# Altium PCB ECE453.PcbDoc (part 2 of 2)
Units mil, origin at the board's own origin, x right, y up, seen from the top; angles counter-clockwise.
Board outline 3937.01 x 3937.01 mil, 2 copper layers (Top Layer, Bottom Layer); 148 components, 146 nets, 474 pads, 123 vias.
Unrouted connection lines stored in the file: 41.
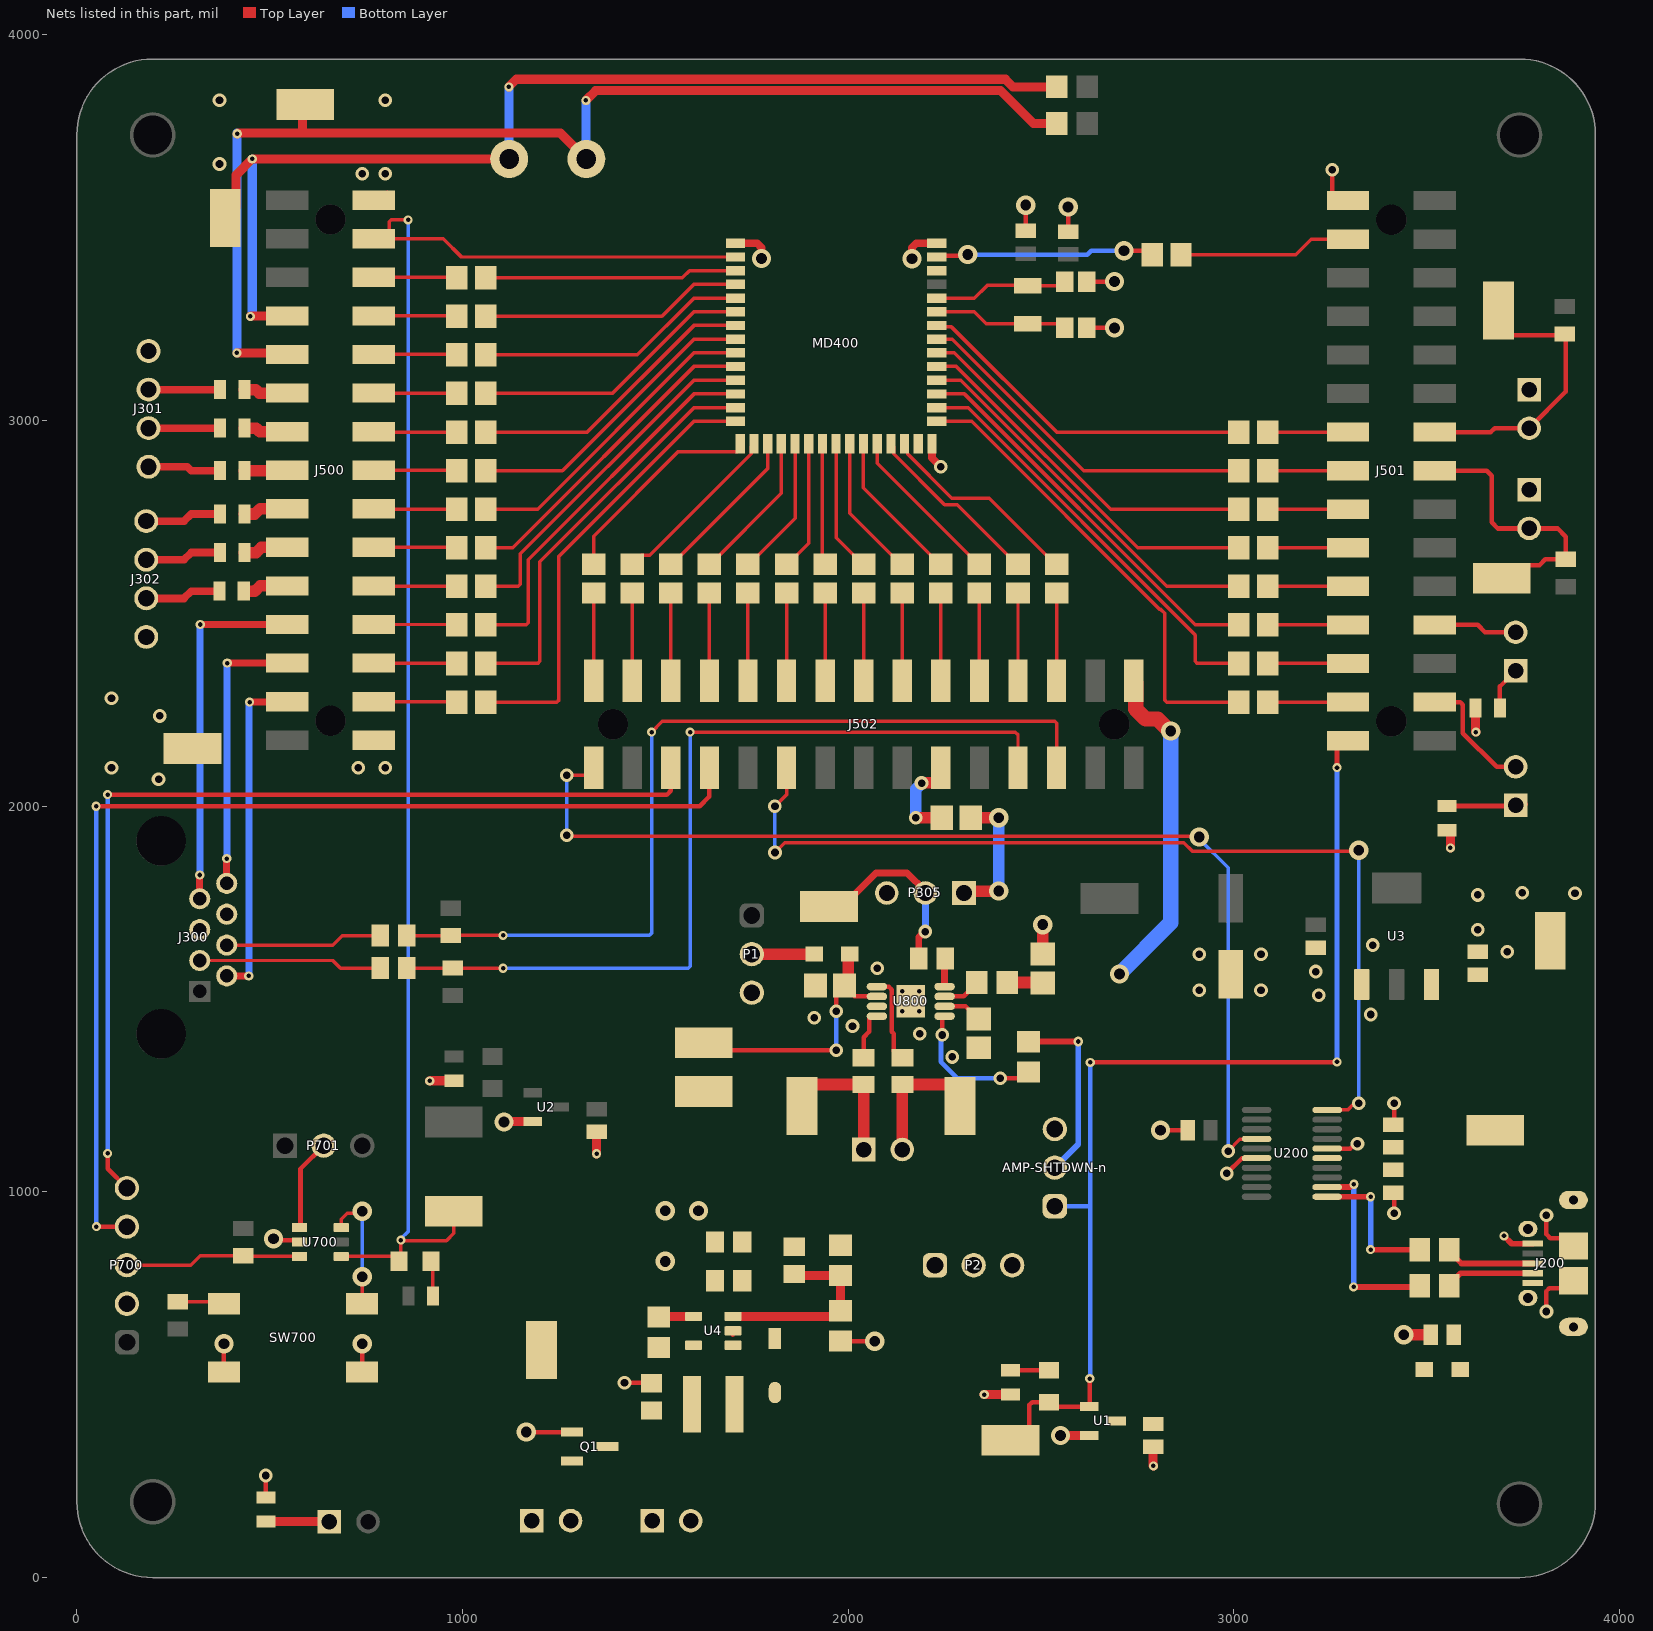
[diagram p2: the nets of this part, all layers, seen from the top]

## Via types
v1: diameter 35.43, hole 19.68, Top Layer to Bottom Layer, 47 vias
v2: diameter 23.62, hole 11.81, Top Layer to Bottom Layer, 36 vias
v3: diameter 50, hole 28, Top Layer to Bottom Layer, 29 vias
v4: diameter 24, hole 12, Top Layer to Bottom Layer, 5 vias
v5: diameter 35, hole 20, Top Layer to Bottom Layer, 5 vias
v6: diameter 25, hole 12, Top Layer to Bottom Layer, 1 vias

## Nets (pads, with @x,y where several pads share a name; then routed paths per layer and width w, separated by ;. In a path a pad name is that pad's centre, name@x,y a point inside that pad or via, vN(x,y) a via of type N, cw(c..) or ccw(c..) an arc to the next point about the centre after c; other vN are vias at no path point) (continued)
5.0V: AMP-SHTDWN-n.3 C1.1 C3.1 C202.1 C203.1 J502.30 P1.3 P2.2 TP3.1 TP5.1 U1.3 U3.3 U200.15 | length 874.8
  Top Layer w11.81: J502.30@2739.81,2325 J502.30@2740,2324.8
  Top Layer w40: J502.30@2740,2324.8 2745,2319.8 2745,2252 2771,2226 2802.25,2226 2833.25,2195 v3(2835.96,2195)
  Bottom Layer w40: v3(2703,1565) 2835.96,1697.96 v3(2835.96,2195)
5.0V_BAT: C6.2 C7.2 C8.2 D1.1 P2.1 R3.2
5.0V_IN: C200.1 J200.1 L200.1
5.0V_USB: L200.2 P2.3
5V0_MON_LEDn: LED1.1 R1.2 | length 100.1
  Top Layer w11.81: R1.2@2420.39,537.7 2520.23,537.7 LED1.1@2520.39,537.55
5V0_MON_RSTn: 5V5-RSTn.1 AMP-SHTDWN-n.1 J501.29 LED1.2 U1.1 | length 2759.2
  Top Layer w11.81: 5V5-RSTn.1@2420.39,356.21 2435.67,356.21 2469.72,390.26 2469.72,447.95 2476.64,454.87 LED1.2@2520.39,454.87 2531.65,443.61 U1.1@2624.95,443.61 2626,444.66 v2(2626,516) ; v2(2627.38,1335.72) 2628.02,1336.36 3266.36,1336.36 v2(3267,1337) ; v2(3267,2100) 3267,2150.91 3286.09,2170 J501.29@3295.68,2170
  Bottom Layer w11.81: AMP-SHTDWN-n.1@2535.5,963 2627,963 ; v2(2626,516) 2627.38,517.38 v2(2627.38,1335.72) ; v2(3267,1337) v2(3267,2100)
AMP_BYPASS: C800.1 U800.2 | length 102.8
  Top Layer w11.81: U800.2@2249.22,1481.28 2303.91,1481.28 2336.54,1448.66 C800.1@2338.5,1448.66
AMP_FILTER: C801.1 R801.2 | length 92.6
  Top Layer w11.81: C801.1@2502.77,1559 C801.1@2504,1557.77
  Top Layer w30: R801.2@2411.87,1543 C801.1@2502.77,1543
AMP_IN_NEG: AMP-IN.1 P305.2 R804.2 | length 488.5
  Top Layer w18: AMP-IN.1@1950,1740 1984.84,1740 2072.23,1827.39 2152.61,1827.39 P305.2@2200,1780 ; R804.2@2182.68,1605.69 2182.68,1659.68 2198,1675 v1(2200,1675)
  Bottom Layer w18: v1(2200,1675) P305.2@2200,1780
AMP_IN_POS: R801.1 U800.3 | length 100
  Top Layer w11.81: U800.3@2249.22,1506.87 2298.97,1506.87 2333.13,1541.03 R801.1@2333.13,1543
AMP_OUT_NEG: P306.1 R800.2 SPK-NEG.1 | length 371.2
  Top Layer w11.81: SPK-NEG.1@1880,1223 1880,1244.5 SPK-NEG.1@1914.06,1278.55
  Top Layer w30: SPK-NEG.1@1914.06,1278.55 R800.2@2040,1278.55 P306.1@2040,1103
AMP_OUT_POS: P306.2 R802.2 SPK-POS.1 | length 361.2
  Top Layer w11.81: SPK-POS.1@2255.94,1278.55 2290,1244.5 SPK-POS.1@2290,1223
  Top Layer w30: P306.2@2140,1103 R802.2@2140,1278.55 SPK-POS.1@2255.94,1278.55
AMP_POWER: L800.1 P1.2 | length 161.6
  Top Layer w30: P1.2@1750,1616.58 L800.1@1911.57,1616.58
AMP_VO_NEG: R800.1 U800.8 | length 133
  Top Layer w11.81: R800.1@2040,1347.45 2040,1401.45 2054.37,1415.83 2054.37,1453.1 2056.97,1455.69 U800.8@2074.72,1455.69
AMP_VO_POS: R802.1 U800.5 | length 234.8
  Top Layer w11.81: U800.5@2074.4,1532.39 2075.34,1531.45 2105.55,1531.45 2112.88,1524.12 2112.88,1446.61 ; 2112.85,1446.57 2112.85,1415.62 2118.42,1410.05 2118.42,1364.18 2117.36,1364.18 2134.09,1347.45 R802.1@2140,1347.45
AVDD: C802.2 L800.2 TP800.1 U800.6 | length 707.9
  Top Layer w11.81: TP800.1@1625,1386.82 1644.85,1366.97 v1(1968.5,1366.97) ; v1(1968.5,1468.04) 1968.5,1513.67 C802.2@1989.9,1535.06 ; C802.2@2000,1545.16 C802.2@1989.9,1535.06 ; U800.6@2074.72,1506.87 2016.11,1506.87 1989.9,1533.09 C802.2@1989.9,1535.06
  Top Layer w30: C802.2@2000,1545.16 L800.2@2000,1612.49
  Bottom Layer w11.81: v1(1968.5,1366.97) v1(1968.5,1468.04)
EN: R4.1 U4.4 | length 91
  Top Layer w9: R4.1@1508.62,675.5 R4.1@1510.53,677.4
  Top Layer w23: R4.1@1510.53,677.4 U4.4@1598.82,677.4
FB: C6.1 R3.1 R5.2 U4.3 | length 495.7
  Top Layer w9: C6.1@1860,787.32 C6.1@1863.94,783.39 ; R5.2@1958.03,677.4 R5.2@1976.38,695.75
  Top Layer w23: U4.3@1701.18,677.4 R5.2@1958.03,677.4 ; C6.1@1863.94,783.39 R3.1@1980,783.39 R5.2@1980,692.13
FTDI_RX: J502.01 U200.4 | length 2787.5
  Top Layer w9: v5(1270,1925) 1272.4,1922.6 2907.4,1922.6 v3(2910,1920) ; v5(1270,2080) 1320,2080 J502.01@1340,2100 ; v1@2991.03,1106 v1(2985,1106) 3015.21,1136.21 3031.71,1136.21 U200.4@3033,1137.5
  Bottom Layer w9: v5(1270,1925) v5(1270,2080) ; v3(2910,1920) 2910,1915 2985,1840 v1(2985,1106)
FTDI_TX: J502.11 U200.20 | length 2552.3
  Top Layer w9: v1(1810,1880) 1835.73,1905.73 2870,1905.73 2893.1,1882.63 3320.08,1882.63 v3(3323.31,1885.86) ; v5@1810,2011.09 v5(1810,2000) 1840,2030 J502.11@1840,2100 J502.11@1819.5,2079.5 ; U200.20@3241.54,1212.5 3294.71,1212.5 3312.21,1230 v1(3323.31,1230)
  Bottom Layer w9: v1(1810,1880) v5(1810,2000) ; v1(3323.31,1230) v3(3323.31,1885.86)
GND: C1.2 C2.2 C3.2 C4.1 C5.2 C7.1 C8.1 C9.1 C200.2 C201.2 C202.2 C203.2 C400.1 C401.1 C402.2 C403.2 C800.2 C801.2 C802.1 GND.1 J200.5 J200.6 J200.7 J200.8 J200.9 J200.10 J200.11 J300.5 J300.6 J301.1 J302.1 J500.02 J500.30 J501.01 MD400.1 MD400.15 MD400.43 P4.1 P301.1 P303.1 P305.3 P700.2 Q1.1 R1.1 R2.1 R5.1 R301.1 R302.1 R304.1 SW700.3 SW700.4 U1.2 U2.2 U3.1 U4.2 U200.6 U200.16 U700.2 U800.7 | length 2678.4
  Top Layer w11.81: SW700.3@381.54,532.94 v3(381.54,606.51) ; R301.1@490,208.28 v1(490,265) ; v3(510,878.47) 514.18,874.29 573.22,874.29 U700.2@577.4,870.1 ; SW700.4@739.8,532.94 v3(739.8,606.51) ; J500.30@770,2171.06 770.91,2171.06 J500.30@790,2151.97 ; J500.02@770,3571.06 785.91,3571.06 J500.02@805,3590.16 ; v3(1165.45,377.4) Q1.1@1283.74,377.4 ; v1(1420,505) 1489.1,505 C9.1@1490,504.1 ; U4.2@1700,630.63 U4.2@1700.55,630.08 ; v3@1770.05,3420 v3(1775,3420) ; C802.1@1915.09,1520.15 1922.55,1527.61 C802.1@1930,1520.15 ; R5.1@1980.55,612.84 v3(2068.5,612.84) ; U800.7@2072.12,1478.69 U800.7@2074.72,1481.28 ; v3(2165,3419.29) v3@2168.53,3419.29 ; MD400.1@2219.85,3459.25 2224.47,3454.63 MD400.1@2229.09,3459.25 ; C402.2@2460,3491.78 v3(2460,3558.23) ; C403.2@2570,3489.53 v3(2570,3553.23) ; C401.1@2618.54,3240 v3(2690,3240) ; C400.1@2618.54,3360 v3(2690,3360) ; v3(2809.53,1160) C201.2@2880,1160 ; v1(2981,1048) 3019.75,1086.75 3057.71,1086.75 U200.6@3058.46,1087.5 ; U200.16@3241.54,1112.5 3301.11,1112.5 3313.61,1125 v1(3320,1125) ; v1(3255,3650) 3255,3589.09 3274.09,3570 J501.01@3295.68,3570 ; C202.2@3412.4,997.97 3415,995.37 v1(3415,945) ; C203.2@3412.4,1174.53 3415,1177.13 v1(3415,1230) ; v1(3810,690) 3810,743.08 3816.92,750 3880,750 J200.9@3880,769.45 ; v1(3810,940) 3810,890 3820,880 3860,880 J200.10@3880,860
  Top Layer w15: v2(3700,885.94) 3720.04,865.91 J200.5@3774.68,865.91
  Top Layer w20: MD400.43@1707.91,3459.25 1763.83,3459.25 1775,3448.08 v3(1775,3420) ; v3(2165,3419.29) 2165,3447.71 2176.54,3459.25 MD400.1@2219.85,3459.25 ; MD400.15@2216.93,2940 2216.93,2903.07 v1(2240,2880)
  Top Layer w23.62: R301.1@488.5,209.78 R301.1@490,208.28 ; v2(915,1288) 915.23,1288.23 R2.1@977.61,1288.23 ; v3(1107.61,1181.06) 1108.88,1182.33 U2.2@1182.18,1182.33 ; v2(1347.61,1099) C2.2@1347.61,1155.63 ; v2(2352.46,474.71) R1.1@2420.39,474.71 ; v3(2550.39,368.81) U1.2@2624.95,368.81 ; C1.2@2790.39,339.28 2790.39,290.61 v2(2791,290) ; R304.1@3552,1937.5 3557.06,1937.5 3561,1933.57 v2(3561,1892) ; R302.1@3626.5,2254 3626.5,2192.5 v2(3627,2192)
  Top Layer w30: C801.2@2504,1616.58 v3(2504,1693) ; v3(3440,630) C200.2@3510.47,630
  other v1: 2270,1350 2185,1410 2011,1430 1911.57,1451.76 3354.27,1460 3220,1510 2910,1522.62 3070,1522.62 3211.73,1571.3 2075,1580 2910,1616.58 3070,1616.58 3708.42,1622.45 3360,1640 3631.73,1680 3631.73,1770 3884,1774 3747,1776 212,2070 90,2100 730,2100 800,2100 215,2234 90,2280 740,3640 800,3640 370,3665 370,3830 800,3830
  other v3: 1525.43,820 1525.43,951 1612,951
  other v4: 2140,1468 2184,1468 2140,1520 2184,1520
I2C_SCL: J502.25 R316.1 R318.2 | length 2336.7
  Top Layer w9: R318.2@855.93,1664.57 974.19,1664.57 974.63,1665 v2(1105,1665) ; v2(1490,2192.05) 1517.95,2220 2534.73,2220 2540,2214.73 J502.25@2540,2100
  Bottom Layer w9: v2(1105,1665) 1484.73,1665 1490,1670.27 v2(1490,2192.05)
I2C_SDA: J502.23 R315.1 R317.2 | length 2281.2
  Top Layer w9: R317.2@855.93,1580 973.25,1580 973.68,1580.43 974.12,1580 v2(1105,1580) ; v2(1590,2192.05) 2432.67,2192.05 2440,2184.73 J502.23@2440,2100
  Bottom Layer w9: v2(1105,1580) 1584.73,1580 1590,1585.27 v2(1590,2192.05)
LED_ON_OFF_NEG: P300.1 R301.2 | length 165.1
  Top Layer w23.62: R301.2@490,145.29 490.14,145.14 654.86,145.14 P300.1@655,145
LED_PAUSE_2: J500.11 R307.1 | length 117.4
  Top Layer w30: R307.1@434.5,3080 464.06,3080 473,3071.06 J500.11@548.2,3071.06
LED_PAUSE_3: J500.13 R306.1 | length 117.4
  Top Layer w30: R306.1@434.5,2980 465.13,2980 474.06,2971.06 J500.13@548.2,2971.06
LED_PAUSE_4: J500.15 R305.1 | length 112.6
  Top Layer w30: R305.1@434.5,2870 J500.15@547.13,2870
LED_PLAYER1_NEG: P302.1 R302.2 | length 113.8
  Top Layer w11.81: R302.2@3689.5,2254 3689.5,2310.5 P302.1@3730,2351
LED_PLAYER1_POS: J501.24 P302.2 | length 217.4
  Top Layer w11.81: J501.24@3520.48,2470 3631.73,2470 3650.73,2451 P302.2@3730,2451
LED_PLAYER2_NEG: P304.1 R304.2 | length 178.6
  Top Layer w11.81: R304.2@3552,2000.5 P304.1@3728.5,2000.5 ; P304.1@3754.5,2003.5 P304.1@3756,2005
LED_PLAYER2_POS: J501.28 P304.2 | length 322.2
  Top Layer w11.81: J501.28@3520.48,2270 3586.43,2270 3593.35,2263.08 3593.35,2189.46 3680.81,2102 P304.2@3730,2102
LED_WINNER_2: J500.21 R314.1 | length 121
  Top Layer w30: R314.1@432.86,2557.5 461.57,2557.5 475.13,2571.06 J500.21@548.2,2571.06
LED_WINNER_3: J500.19 R313.1 | length 116.5
  Top Layer w30: R313.1@434.35,2657.5 465.13,2657.5 478.68,2671.06 J500.19@545.2,2671.06
LED_WINNER_4: J500.17 R312.1 | length 116.5
  Top Layer w30: R312.1@434.35,2757.5 461.57,2757.5 475.13,2771.06 J500.17@545.2,2771.06
LIN_ACT_BACKWARD: J300.8 J500.25 | length 726.8
  Top Layer w18: J300.8@388.68,1800 v2(388.68,1864.2) ; v2(390,2371.06) J500.25@545.2,2371.06
  Bottom Layer w18: v2(388.68,1864.2) 389.34,1864.86 389.34,2370.41 v2(390,2371.06)
LIN_ACT_FORWARD: J300.7 J500.23 | length 936.8
  Top Layer w18: J300.7@318.68,1760 v2(318.68,1821.64) ; v2(320,2471.06) J500.23@545.2,2471.06
  Bottom Layer w18: v2(318.68,1821.64) 319.34,1822.29 319.34,2470.41 v2(320,2471.06)
MCU_RSTn: P701.2 U700.1 | length 238.4
  Top Layer w11.81: U700.1@577.4,907.5 580,910.1 580,1060 P701.2@640,1120
NetJ300_3: J300.3 R317.1 | length 476.6
  Top Layer w9: J300.3@318.68,1600 663.68,1600 683.68,1580 R317.1@787.03,1580
NetJ300_4: J300.4 R318.1 | length 408.5
  Top Layer w9: J300.4@388.68,1640 663.68,1640 688.25,1664.57 R318.1@787.03,1664.57
NetJ301_2: J301.2 R307.2 | length 188.5
  Top Layer w20: J301.2@183,3080 R307.2@371.5,3080
NetJ301_3: J301.3 R306.2 | length 188.5
  Top Layer w20: J301.3@183,2980 R306.2@371.5,2980
NetJ301_4: J301.4 R305.2 | length 192.6
  Top Layer w20: J301.4@183,2880 286.5,2880 296.5,2870 R305.2@371.5,2870
NetJ302_2: J302.2 R314.2 | length 197.3
  Top Layer w20: J302.2@180.36,2538.7 277.7,2538.7 296.5,2557.5 R314.2@369.87,2557.5
NetJ302_3: J302.3 R313.2 | length 198.8
  Top Layer w20: J302.3@180.36,2638.7 277.7,2638.7 296.5,2657.5 R313.2@371.36,2657.5
NetJ302_4: J302.4 R312.2 | length 198.8
  Top Layer w20: J302.4@180.36,2738.7 277.7,2738.7 296.5,2757.5 R312.2@371.36,2757.5
NetP800_2: AMP-SHTDWN-n.2 R803.2 | length 481.4
  Top Layer w15: R803.2@2467,1389.37 2467.63,1390 v6(2596.02,1390)
  Bottom Layer w15: AMP-SHTDWN-n.2@2535.5,1063 2596.02,1123.52 v6(2596.02,1390)
NetR701_1: R701.1 SW700.1 | length 122.3
  Top Layer w9: R701.1@261.54,715.54 376.1,715.54 SW700.1@381.54,710.1
NetR803_1: R803.1 U800.1 | length 360.3
  Top Layer w12: U800.1@2243,1450 2244,1449 v5(2244,1407) ; U800.1@2246.82,1452.83 U800.1@2249.6,1455.61 ; v5(2394,1295) 2459,1295 R803.1@2464,1300
  Bottom Layer w12: v5@2243,1406 2240.28,1403.28 2240.28,1337.69 2282.97,1295 v5(2394,1295)
NetR804_1: R804.1 U800.4 | length 74.2
  Top Layer w11.81: R804.1@2249.22,1603.33 R804.1@2251.57,1605.69
  Top Layer w18: U800.4@2249.22,1532.46 R804.1@2249.22,1603.33
P0.0: C400.2 MD400.5 Y400.1 | length 354.7
  Top Layer w9: MD400.5@2229.09,3317.13 2327.13,3317.13 2360,3350 2464.21,3350 Y400.1@2465,3349.21 2550.67,3349.21 C400.2@2561.46,3360 C400.2@2561.46,3356.06
P0.1: C401.2 MD400.6 Y400.2 | length 353.6
  Top Layer w9: MD400.6@2229.09,3281.69 2327.13,3281.69 2358.03,3250.79 Y400.2@2465,3250.79 2550.67,3250.79 C401.2@2561.46,3240 C401.2@2561.46,3243.94
P0.4: J500.06 R408.1 | length 215.6
  Top Layer w9: J500.06@770,3371.06 984.13,3371.06 R408.1@985.2,3370
P0.5: J501.03 R410.1 | length 449.6
  Top Layer w9: R410.1@2862.67,3430 3160,3430 3200,3470 J501.03@3295.68,3470
P5.0: J500.10 R412.1 | length 215.6
  Top Layer w9: J500.10@770,3171.06 984.13,3171.06 R412.1@985.2,3170
P5.1: J500.08 R414.1 | length 215.6
  Top Layer w9: J500.08@770,3271.06 984.13,3271.06 R414.1@985.2,3270
P5.2: J500.12 R416.1 | length 215.6
  Top Layer w9: J500.12@770,3071.06 984.13,3071.06 R416.1@985.2,3070
P5.3: J500.14 R418.1 | length 215.6
  Top Layer w9: J500.14@770,2971.06 771.06,2970 R418.1@985.2,2970
P5.4: J502.10 R420.1 | length 227.8
  Top Layer w9: J502.10@1740,2324.8 R420.1@1740,2552.6
P5.5: J500.16 R422.1 | length 215.6
  Top Layer w9: J500.16@770,2871.06 984.13,2871.06 R422.1@985.2,2870
P5.6: J500.24 R424.1 | length 215.6
  Top Layer w9: J500.24@770,2471.06 984.13,2471.06 R424.1@985.2,2470
P6.2: J502.04 R427.1 | length 227.8
  Top Layer w9: J502.04@1440,2324.8 R427.1@1440,2552.6
P6.3: J500.28 R429.1 | length 215.6
  Top Layer w9: J500.28@770,2271.06 984.13,2271.06 R429.1@985.2,2270
P6.4: J502.12 R430.1 | length 227.8
  Top Layer w9: J502.12@1840,2324.8 R430.1@1840,2552.6
P6.5: J502.02 R431.1 | length 227.8
  Top Layer w9: J502.02@1340,2324.8 R431.1@1340,2552.6
P6.6: J502.06 R432.1 | length 227.8
  Top Layer w9: J502.06@1540,2324.8 R432.1@1540,2552.6
P6.7: J502.08 R433.1 | length 227.8
  Top Layer w9: J502.08@1640,2324.8 R433.1@1640,2552.6
P7.1: J502.14 R400.2 | length 227.8
  Top Layer w9: J502.14@1940,2324.8 R400.2@1940,2552.6
P7.2: J502.16 R401.2 | length 227.8
  Top Layer w9: J502.16@2040,2324.8 R401.2@2040,2552.6
P7.7: J500.26 R402.2 | length 215.6
  Top Layer w9: J500.26@770,2371.06 771.06,2370 R402.2@985.2,2370
P9.0: J502.26 R403.2 | length 227.8
  Top Layer w9: J502.26@2540,2324.8 R403.2@2540,2552.6
P9.1: J502.24 R404.2 | length 227.8
  Top Layer w9: J502.24@2440,2324.8 R404.2@2440,2552.6
P9.2: J502.18 R405.2 | length 228.1
  Top Layer w9: R405.2@2139.37,2552.6 2139.37,2325.43 J502.18@2140,2324.8
P9.3: J501.17 R406.2 | length 208.3
  Top Layer w9: R406.2@3087.4,2770 J501.17@3295.68,2770
P9.4: J501.27 R407.2 | length 208.3
  Top Layer w9: R407.2@3087.4,2270 J501.27@3295.68,2270
P9.5: J502.22 R409.2 | length 227.8
  Top Layer w9: J502.22@2340,2324.8 R409.2@2340,2552.6
P9.6: J502.20 R411.2 | length 227.8
  Top Layer w9: J502.20@2240,2324.8 R411.2@2240,2552.6
P10.0: J501.25 R413.2 | length 208.3
  Top Layer w9: R413.2@3087.4,2370 J501.25@3295.68,2370
P10.1: J501.23 R415.2 | length 208.3
  Top Layer w9: R415.2@3087.4,2470 J501.23@3295.68,2470
P10.2: J500.22 R417.2 | length 215.6
  Top Layer w9: J500.22@770,2571.06 771.06,2570 R417.2@985.2,2570
P10.3: J501.13 R419.2 | length 208.3
  Top Layer w9: R419.2@3087.4,2970 J501.13@3295.68,2970
P10.4: J501.15 R421.2 | length 208.3
  Top Layer w9: R421.2@3087.4,2870 J501.15@3295.68,2870
P10.5: J501.21 R423.2 | length 208.3
  Top Layer w9: R423.2@3087.4,2570 J501.21@3295.68,2570
P10.6: J501.19 R425.2 | length 208.3
  Top Layer w9: R425.2@3087.4,2670 J501.19@3295.68,2670
P12.6: J500.20 R426.2 | length 215.6
  Top Layer w9: J500.20@770,2671.06 984.13,2671.06 R426.2@985.2,2670
P12.7: J500.18 R428.2 | length 215.6
  Top Layer w9: J500.18@770,2771.06 771.06,2770 R428.2@985.2,2770
PB_PASS_TURN: J501.16 P303.2 PB1.1 R303.1 | length 726.5
  Top Layer w11.81: J501.16@3520.48,2870 3655,2870 3668,2857 3668,2736 3684,2720 P303.2@3765,2720 3839,2720 3860,2699 R303.1@3860,2640 3807,2640 3792.06,2625.06 3728.06,2625.06 PB1.1@3694,2591
PB_PLAY_PAUSE: J501.14 P301.2 PB2.1 R300.1 | length 744.1
  Top Layer w11.81: J501.14@3520.48,2970 3666,2970 3676,2980 P301.2@3765,2980 3860,3075 R300.1@3860,3222 ; PB2.1@3686,3285 3686,3255.06 3720.06,3221 R300.1@3856,3221
PB_RESET_N: SW700.2 U700.6 | length 324.4
  Top Layer w9: U700.6@685.67,907.5 685.67,929.1 701.3,944.74 734.44,944.74 v3(739.8,950.1) ; SW700.2@739.8,710.1 v3(739.8,780.1)
  Bottom Layer w9: v3(739.8,780.1) v3(739.8,950.1)
POT_SIGNAL: C300.1 P305.1 | length 377.2
  Top Layer w11.81: C300.1@2300,1952.6 C300.1@2317.4,1970
  Top Layer w30: P305.1@2300,1780 v3(2390,1780) ; C300.1@2317.4,1970 v3(2390,1970)
  Bottom Layer w30: v3(2390,1780) v3(2390,1970)
PRG_RESET_N: P700.3 R700.1 U700.3 | length 458.4
  Top Layer w9: P700.3@130,810.1 295.43,810.1 320,834.67 R700.1@431.54,834.67 433.51,832.7 U700.3@577.4,832.7
R0.4: MD400.41 R408.2 | length 681.5
  Top Layer w9: R408.2@1078.39,3388.39 R408.2@1060,3370 1570,3370 1588.39,3388.39 MD400.41@1707.91,3388.39
R0.5: MD400.2 R410.2 | length 569.6
  Top Layer w11.81: MD400.2@2229.09,3423.82 2232.18,3426.91 2306.91,3426.91 v3(2310,3430) ; v3(2715,3440) 2777.87,3440 R410.2@2787.87,3430
  Bottom Layer w11.81: v3(2310,3430) 2620,3430 2630,3440 v3(2715,3440)
R5.0: MD400.39 R412.2 | length 708.9
  Top Layer w9: R412.2@1060,3170 1452.87,3170 1600,3317.13 MD400.39@1707.91,3317.13
R5.1: MD400.40 R414.2 | length 682.3
  Top Layer w9: R414.2@1060,3270 1517.05,3270 1600,3352.95 MD400.40@1707.91,3352.95
R5.2: MD400.38 R416.2 | length 735.6
  Top Layer w9: R416.2@1060,3070 1388.31,3070 1600,3281.69 MD400.38@1707.91,3281.69
R5.3: MD400.37 R418.2 | length 762.3
  Top Layer w9: R418.2@1060,2970 1323.74,2970 1600,3246.26 MD400.37@1707.91,3246.26
R5.4: MD400.25 R420.2 | length 364.9
  Top Layer w9: R420.2@1740,2627.4 1742.95,2627.4 1862.2,2746.65 MD400.25@1862.2,2940
R5.5: MD400.36 R422.2 | length 789.1
  Top Layer w9: R422.2@1060,2870 1259.17,2870 1600,3210.83 MD400.36@1707.91,3210.83
R5.6: MD400.32 R424.2 | length 991.6
  Top Layer w9: R424.2@1060,2470 1164.73,2470 1170,2475.27 1170,2638.7 1600,3068.7 MD400.32@1707.91,3068.7
R6.2: MD400.28 R427.2 | length 456.2
  Top Layer w9: R427.2@1440,2627.4 1463.06,2650.46 1485.05,2650.46 1748,2913.42 1748,2932.49 MD400.28@1755.51,2940
R6.3: MD400.30 R429.2 | length 1167.6
  Top Layer w9: R429.2@1060,2270 1244.73,2270 1250,2275.27 1250,2647.83 1600,2997.83 MD400.30@1707.91,2997.83
R6.4: MD400.24 R430.2 | length 338.2
  Top Layer w9: R430.2@1840,2627.4 1842.95,2627.4 1897.64,2682.09 MD400.24@1897.64,2940
R6.5: MD400.29 R431.2 | length 559.7
  Top Layer w9: R431.2@1340,2627.4 1340,2700 1559.5,2919.5 1712.57,2919.5 1720.08,2927.01 MD400.29@1720.08,2940
R6.6: MD400.27 R432.2 | length 418.3
  Top Layer w9: R432.2@1540,2627.4 1542.95,2627.4 1790.94,2875.39 MD400.27@1790.94,2940
R6.7: MD400.26 R433.2 | length 391.5
  Top Layer w9: R433.2@1640,2627.4 1642.95,2627.4 1826.38,2810.83 MD400.26@1826.38,2940
R7.1: MD400.23 R400.1 | length 315.5
  Top Layer w9: MD400.23@1933.07,2940 1933.07,2634.33 R400.1@1940,2627.4
R7.2: MD400.22 R401.1 | length 343.9
  Top Layer w9: MD400.22@1968.5,2940 1968.5,2695.94 2037.05,2627.4 R401.1@2040,2627.4
R7.7: MD400.31 R402.1 | length 1073.8
  Top Layer w9: R402.1@1060,2370 1194.73,2370 1200,2375.27 1200,2633.27 1600,3033.27 MD400.31@1707.91,3033.27
R9.0: MD400.17 R403.1 | length 534.6
  Top Layer w9: MD400.17@2146.06,2940 2153.57,2932.49 2153.57,2913.42 2268.18,2798.81 2365.64,2798.81 2537.05,2627.4 R403.1@2540,2627.4
R9.1: MD400.18 R404.1 | length 470
  Top Layer w9: MD400.18@2110.63,2940 2118.14,2932.49 2118.14,2913.42 2249.62,2781.94 2282.51,2781.94 2437.05,2627.4 R404.1@2440,2627.4
R9.2: MD400.21 R405.1 | length 370.4
  Top Layer w9: MD400.21@2003.94,2940 2003.94,2759.88 2136.42,2627.4 R405.1@2139.37,2627.4
R9.3: MD400.9 R406.1 | length 951.4
  Top Layer w9: MD400.9@2229.09,3175.39 2274.61,3175.39 2680,2770 R406.1@3012.6,2770
R9.4: MD400.14 R407.1 | length 1216.6
  Top Layer w9: MD400.14@2229.09,2997.83 2320,2997.83 2807.83,2510 2810,2510 2820,2500 2820,2275.27 2825.27,2270 R407.1@3012.6,2270
R9.5: MD400.19 R409.1 | length 424
  Top Layer w9: MD400.19@2075.2,2940 2075.2,2889.25 2337.05,2627.4 R409.1@2340,2627.4
R9.6: MD400.20 R411.1 | length 397.4
  Top Layer w9: MD400.20@2039.37,2940 2039.37,2825.08 2237.05,2627.4 R411.1@2240,2627.4
R10.0: MD400.13 R413.1 | length 1098.4
  Top Layer w9: MD400.13@2229.09,3033.27 2310.6,3033.27 2900,2443.86 2900,2375.27 2905.27,2370 R413.1@3012.6,2370
R10.1: MD400.12 R415.1 | length 1031.5
  Top Layer w9: MD400.12@2229.09,3068.7 2301.3,3068.7 2900,2470 R415.1@3012.6,2470
R10.2: MD400.33 R417.1 | length 915.4
  Top Layer w9: R417.1@1060,2570 1144.73,2570 1150,2575.27 1150,2654.13 1600,3104.13 MD400.33@1707.91,3104.13
R10.3: MD400.7 R419.1 | length 897.9
  Top Layer w9: MD400.7@2229.09,3246.26 2232.95,3242.41 2267.59,3242.41 2540,2970 R419.1@3012.6,2970
R10.4: MD400.8 R421.1 | length 924.7
  Top Layer w9: MD400.8@2229.09,3210.83 2269.17,3210.83 2610,2870 R421.1@3012.6,2870
R10.5: MD400.11 R423.1 | length 1004.7
  Top Layer w9: MD400.11@2229.09,3104.13 2291.14,3104.13 2825.27,2570 R423.1@3012.6,2570
R10.6: MD400.10 R425.1 | length 978.2
  Top Layer w9: MD400.10@2229.09,3139.96 2280.04,3139.96 2750,2670 R425.1@3012.6,2670
R12.6: MD400.34 R426.1 | length 842.6
  Top Layer w9: R426.1@1060,2670 1130.04,2670 1600,3139.96 MD400.34@1707.91,3139.96
R12.7: MD400.35 R428.1 | length 815.8
  Top Layer w9: R428.1@1060,2770 1194.61,2770 1600,3175.39 MD400.35@1707.91,3175.39
RPI_RX: J308.1 J500.09 R309.1 RX.1 | length 3128.9
  Top Layer w23.62: v2(415,3175) 541.26,3175 J500.09@545.2,3171.06 ; v4(416,3743) 418.02,3745.02 585,3745.02 ; RX.1@592,3819 585,3812 585,3745.02 ; 1251.98,3745.02 585,3745.02 ; 1253.98,3745.02 J308.1@1321,3678 ; v2(1320,3830) 1345,3855 2395,3855 2480,3770 R309.1@2540.63,3770
  Bottom Layer w23.62: v2(415,3175) v4@415,3745 ; v2(1320,3830) 1320,3679 J308.1@1321,3678
RPI_TX: J308.2 J500.07 R308.1 TX.1 | length 2978.1
  Top Layer w23.62: TX.1@385,3525 413.15,3553.15 413.15,3636.33 454.82,3678 J308.2@1121,3678 ; v2(450,3270) 451.06,3271.06 J500.07@545.2,3271.06 ; v2(1120,3865) 1139.62,3884.62 2407.27,3884.62 2426.89,3865 R308.1@2540.63,3865
  Bottom Layer w23.62: v2(450,3270) 455,3275 v2(455,3678) ; v2(1120,3865) 1120,3679 J308.2@1121,3678
SERVO_IN: J300.2 J500.27 | length 865.6
  Top Layer w18: J300.2@388.68,1560 v2(445.68,1560) ; v2(448,2270) 448.53,2270.53 544.67,2270.53 J500.27@545.2,2271.06
  Bottom Layer w11.81: v2(445.68,1560) v2@446.84,1561.16 ; v2@446.84,2268.84 v2(448,2270)
  Bottom Layer w18: v2@446.84,1561.16 v2@446.84,2268.84
SW: D1.2 L1.2 U4.1
SWDCLK: J502.07 P700.4 | length 2844.8
  Top Layer w11.81: v2(50,2000) 1615,2000 1640,2025 J502.07@1640,2100 ; v2(50.98,910) 51.03,910.05 129.95,910.05 P700.4@130,910.1
  Bottom Layer w11.81: v2(50,2000) 50.49,1999.51 50.49,910.49 v2(50.98,910)
SWDIO: J502.05 P700.5 | length 2564.7
  Top Layer w11.81: v2(80,1100) 80,1060.1 P700.5@130,1010.1 ; v2(80,2030) 1530,2030 1540,2040 J502.05@1540,2100
  Bottom Layer w11.81: v2(80,1100) v2(80,2030)
TO_AMP: C300.2 J502.19 | length 298.8
  Top Layer w11.81: J502.19@2220.91,2060 2240,2079.09 J502.19@2240,2100 J502.19@2242.6,2097.4
  Top Layer w30: v1(2175,1970) C300.2@2242.6,1970 ; v1(2190,2060) 2191.47,2060 2192.77,2061.3 2230,2061.3 2240,2071.3 J502.19@2240,2100
  Bottom Layer w30: v1(2175,1970) 2175,2043.53 2190,2058.53 v1(2190,2060)
USB_D_N: J200.2 R200.1 | length 232.2
  Top Layer w15: R200.1@3558.39,756.22 3558.39,760.16 3587.36,789.13 J200.2@3774.68,789.13
USB_D_P: J200.3 R201.1 | length 233.3
  Top Layer w15: R201.1@3558.39,850.32 3558.39,846.38 3590.04,814.72 J200.3@3774.68,814.72
USBDM: R200.2 U200.12 | length 511.4
  Top Layer w15: U200.12@3241.54,1012.5 3300.79,1012.5 3308.29,1020 v2(3310.62,1020) ; v2(3310,753.69) 3479.08,753.69 R200.2@3481.61,756.22
  Bottom Layer w15: v2(3310,753.69) 3310.31,754 3310.31,1019.69 v2(3310.62,1020)
USBDP: R201.2 U200.11 | length 377.7
  Top Layer w10: R201.2@3481.46,850 R201.2@3481.77,850.32
  Top Layer w15: U200.11@3241.54,987.5 v2(3354.27,987.5) ; v2(3354.27,850.36) 3481.1,850.36 R201.2@3481.46,850
  Bottom Layer w15: v2(3354.27,850.36) v2(3354.27,987.5)
VBACKUP: MD400.3
VBAT_POS: P4.2 Q1.2 VBAT+.1
VBAT_PROT: P3.1 Q1.3
VIN: C9.2 L1.1 P3.2 R4.2 U4.5
VREF: MD400.16
XRES_N: J500.04 LED700.1 MD400.42 U700.4 XRESn.1 | length 4129.1
  Top Layer w9: U700.4@685.67,832.7 822.8,832.7 LED700.1@835.4,820.1 840,824.71 v2(840,875) 841.58,873.42 958.4,873.42 977.61,892.62 XRESn.1@977.61,950.1 ; J500.04@770,3471.06 J500.04@789.5,3471.06 ; v2(859,3520) 815.27,3520 810,3514.73 810,3491.56 J500.04@789.5,3471.06 ; MD400.42@1707.91,3423.82 997.24,3423.82 950,3471.06 J500.04@789.5,3471.06
  Bottom Layer w9: v2(840,875) 840,878.39 859,897.39 v2(859,3520)
XRES_N_R: LED700.2 R702.1 | length 92.1
  Top Layer w9: LED700.2@918.07,820.1 923.03,815.14 R702.1@923.03,730.1
pads on no net: J200.4 J300. J500. J500.01 J500.03 J500.05 J500.29 J501. J501.02 J501.04 J501.05 J501.06 J501.08 J501.09 J501.10 J501.11 J501.12 J501.18 J501.20 J501.22 J501.26 J501.30 J502. J502.03 J502.09 J502.13 J502.15 J502.17 J502.21 J502.27 J502.28 J502.29 MH500.1 MH501.1 MH502.1 MH503.1 U200.1 U200.2 U200.5 U200.7 U200.8 U200.9 U200.10 U200.17 U200.18 U200.19

## Polygon pours and split planes (outlines as drawn)
5.0V on Top Layer "5.0V_L01_P020" (solid, pour order 20): 3374.02,1617.15 3374.69,1616.47 3374.69,1437.42 3468,1437.42 3468,1617.15 3926,1617.15 3927,403.58 3926,402.58 3926,124.58 3911,113.58 3900,85 3879,72.58 3870,55 3838,36.58 3826.25,19.82 3801,16.58 3764.29,4.29 3757,11.58 2259,11.58 2259,985.58 1484.63,985.58 1485,985.95 1485,1616.58 1485.58,1617.15 1855.2,1617.15 1855.2,1308.08 2378.32,1308.08 2382.62,1303.78 2395.92,1317.07 2395.92,1505.06 2393.5,1507.47 2393.5,1590.4 2387.01,1596.89 2280.21,1596.89 2280.21,1617.15
GND on Top Layer "GND_L01_P022" (solid, pour order 22): 2393.5,1596.89 2393.5,1308.08 1855.2,1308.08 1855.2,1596.89
GND on Top Layer "GND_L01_P023" (solid, pour order 23): 865,1920 870,1925 870,3930 140,3930 70,3890 30,3840 0,3770 0,1920
3.3V on Top Layer "3.3V_L01_P021" (solid, pour order 21): 1705,1995 ccw(c1700,2015) 1720,2020 1720,3050 2045,3375 2055,3470 2405,3470 2405,3937.01 3937.01,3937.01 3935,1813 3567.36,1813 3567.36,1599.55 3574.58,1592.33 3574.16,1591.91 3473.33,1591.91 3473.33,1460 3471,1435 3368.2,1435 3368.2,1466.11 3374.69,1472.61 3374.69,1661.42 2764.69,1661.42 2764.69,1599.55 1479.1,1592.33 1484,1614 1484,699.37 976.79,699.37 980,696.16 980,5 185,5 167,5 115,15 75,55 70,55 35,90 24.5,105.5 10,135 1.12,175.91 5,185 1.12,669 0,1915 875,1995
5.0V_IN on Top Layer "5.0V_IN_L01_P015" (solid, pour order 15): 3820,780 3720,780 3715.56,780 3535,780 3535,680 3535,400 3820,400
GND on Top Layer "GND_L01_P012" (solid, pour order 12): 3567.36,1813 3567.36,1599.55 3574.58,1592.33 3926,1592.33 3926,1813
GND on Top Layer "GND_L01_P011" (solid, pour order 11): 3374.69,1661.42 3374.69,1437.42 2764.69,1437.42 2764.69,1440.42 2764.69,1661.42
5.0V_USB on Top Layer "5.0V_USB_L01_P013" (solid, pour order 13): 3540,633.02 3540,400 2898.39,400 2898.39,650.35 2380,650.35 2380,870 3200,870 3200,633.02
5.0V_BAT on Top Layer "5.0V_BAT_L01_P014" (solid, pour order 14): 2270,993 2270,75 2270,13 1642,13 1647.05,1074.78 1647.05,993
VBAT_POS on Top Layer "VBAT_POS_L01_P010" (solid, pour order 10): 1392,13 973.25,13 973.25,492 973.25,710.1 1013,710.06 1039.3,710.1 1488.97,710.76
GND on Top Layer "GND_L01_P009" (solid, pour order 9): 1726.25,657.25 1726.25,617.33 1639.19,617.33 1631.7,618.01 1632.55,699.37 1484,699.37 1484,993 1686.96,993 1686.96,657.25
VBAT_PROT on Top Layer "VBAT_PROT_L01_P008" (solid, pour order 8): 1541.5,388.96 1541.5,13 1340,13 1340,388.96
VIN on Top Layer "VIN_L01_P007" (solid, pour order 7): 1541.5,13 1647.05,13 1647.05,82.39 1647.05,636.13 1423.68,636.13 1423.68,388.96 1541.5,388.96
SW on Top Layer "SW_L01_P006" (solid, pour order 6): 1655.59,320 1655.59,617.5 1750,617.5 1762.5,605 1762.5,536.13 1850.16,536.13 1850.79,535.5 1850.79,320
GND on Bottom Layer "B_GND" (solid, remove dead copper, pour order 5): 14.26,3937.88 -5.43,3918.2 -5.43,0.87 3951.27,0.87 3951.27,3937.88

## Keep-outs
Keep-Out Layer:
  the board outline again, w10

## Other copper
Top Layer:
  pour cut-out: 3816,3932 3862,3906 3897,3869 3930,3822 3935,3813 3948,3815 3949,3947 3813,3948
  pour cut-out: 2648,3310 2647,3311 2647,3327 2426,3327 2422,3331 2422,3344 2365,3344 2331,3310 2205,3310 2205,3470 2000,3470 1940,3360 1705,3285 1720,2045 2800,2045 2800,2234 2795,2239 2796,2240 3263.46,2240 3263.46,3202.65 3265,3204.2 3263.72,3205.48 3205,3205.48 3205,3310
  pour cut-out: 3799.17,884.78 3799.17,751.51 3940,751.51 3940,880.35 3935,885.35
  pour cut-out: 90,2030 90,2000 870,2000 870,2030

## Silkscreen, mask and mechanical layers (free items; w line width, h text height)
Top Overlay:
  lines w8: 3290,260 3330,260 ; 3290,260 3290,290 ; 3290,260 3330,260 ; 3290,260 3290,230 3330,230 ; 3290,290 3330,290 ; 3290,290 3330,290 ; 3290,290 3290,320 ; 3290,320 3330,320 ; 3290,320 3290,350 3330,350 ; 3290,320 3330,320 ; 3330,230 3370,230 ; 3330,230 3330,260 ; 3330,230 3330,260 ; 3330,260 3330,290 ; 3330,260 3370,260 ; 3330,260 3330,290 ; 3330,260 3370,260 ; 3330,290 3370,290 ; 3330,290 3330,320 ; 3330,290 3330,320 ; 3330,290 3370,290 ; 3330,320 3370,320 ; 3330,320 3330,350 ; 3330,320 3370,320 ; 3330,320 3330,350 ; 3330,350 3370,350 ; 3370,230 3410,230 ; 3370,230 3370,260 ; 3370,230 3370,260 ; 3370,260 3410,260 ; 3370,260 3410,260 ; 3370,260 3370,290 ; 3370,260 3370,290 ; 3370,290 3370,320 ; 3370,290 3410,290 ; 3370,290 3370,320 ; 3370,290 3410,290 ; 3370,320 3410,320 ; 3370,320 3410,320 ; 3370,320 3370,350 ; 3370,320 3370,350 ; 3370,350 3410,350 ; 3410,230 3410,260 ; 3410,230 3450,230 ; 3410,230 3410,260 ; 3410,260 3410,290 ; 3410,260 3450,260 ; 3410,260 3410,290 ; 3410,260 3450,260 ; 3410,290 3410,320 ; 3410,290 3450,290 ; 3410,290 3410,320 ; 3410,290 3450,290 ; 3410,320 3410,350 ; 3410,320 3450,320 ; 3410,320 3410,350 ; 3410,320 3450,320 ; 3410,350 3450,350 ; 3450,230 3490,230 3490,260 ; 3450,230 3450,260 ; 3450,230 3450,260 ; 3450,260 3490,260 ; 3450,260 3450,290 ; 3450,260 3490,260 ; 3450,260 3450,290 ; 3450,290 3490,290 ; 3450,290 3450,320 ; 3450,290 3490,290 ; 3450,290 3450,320 ; 3450,320 3490,320 ; 3450,320 3450,350 ; 3450,320 3450,350 ; 3450,320 3490,320 ; 3450,350 3490,350 3490,320 ; 3490,260 3490,290 ; 3490,290 3490,320
  lines w10: 2805,3775 2806.99,3775 cw(c2806.99,3721.25) 2845,3759.26 ccw(c2879.42,3793.68) 2879.42,3745 ; 2805,3865 cw(c2805,3804.64) 2847.68,3847.32 2854.39,3840.61 ccw(c2880,3866.21) 2880,3830 ; 2600,90 3510,90 3510,230 2600,230 2600,90
  text "TX-pull-up" at 2900,3813.79 h50
  text "(TP)" at 498.44,3775.01 h35 r90
  text "RX-pull-up" at 2900.02,3728.79 h50
  text "TO-PI" at 973.92,3650 h100 r90
  text "GND" at 850.02,3555.54 h50
  text "GND" at 3115,3555.54 h50
  text "(TP)" at 323.44,3495.01 h35 r90
  text "0.5" at 3140,3354.54 h50
  text "0.4" at 856,3350.54 h50
  text "(TP)" at 3628.44,3295.01 h35 r90
  text "3.3V" at 3115,3255.55 h50
  text "." at 1223,3253.96 h150
  text "5.1" at 860,3250.54 h50
  text "RGB1" at 237.02,3246.64 h60
  text "." at 1223,3155 h150
  text "5.0" at 860,3150.54 h50
  text "PB1" at 3801.02,3143 h60
  text "." at 1223,3054.23 h150
  text "5.2" at 860,3050.54 h50
  text "." at 1223,2954.23 h150
  text "." at 2836.38,2954.23 h150
  text "5.3" at 860,2950.55 h50
  text "10.3" at 3132.6,2950.55 h50
  text "PB2" at 3800.02,2881 h60
  text "." at 1223,2853.96 h150
  text "." at 2836.38,2853.96 h150
  text "5.5" at 860,2850.54 h50
  text "10.4" at 3132.6,2850.54 h50
  text "SDA" at 2453.93,2815.02 h50 r90
  text "SCL" at 2555.21,2815.03 h50 r90
  text "." at 1540,2779 h150
  text "." at 1640,2779 h150
  text "." at 1840,2779 h150
  text "." at 2243.7,2779 h150
  text "." at 2440,2779 h150
  text "." at 2540,2779 h150
  text "." at 1340,2770 h150
  text "." at 1223,2754.23 h150
  text "12.7" at 850.02,2750 h50
  text "9.3" at 3140,2750.55 h50
  text "." at 1223,2654.23 h150
  text "12.6" at 850.02,2650.54 h50
  text "10.6" at 3132.1,2650.54 h50
  text "." at 1223,2553.96 h150
  text "10.2" at 850.02,2550.54 h50
  text "10.5" at 3132.1,2550.54 h50
  text "(TP)" at 3735.01,2516.56 h35
  text "5.6" at 860,2455.54 h50
  text "." at 1223,2453.96 h150
  text "." at 2836.38,2454.23 h150
  text "10.1" at 3136.1,2450.54 h50
  text "6.5" at 1354.46,2425.02 h50 r90
  text "6.2" at 1454.46,2425.02 h50 r90
  text "6.6" at 1554.46,2425.02 h50 r90
  text "6.7" at 1654.46,2425.02 h50 r90
  text "5.4" at 1754.46,2425 h50 r90
  text "6.4" at 1849.8,2425.02 h50 r90
  text "7.1" at 1947.5,2425 h50 r90
  text "7.2" at 2055,2425 h50 r90
  text "9.2" at 2154.46,2425 h50 r90
  text "9.6" at 2254.46,2425 h50 r90
  text "9.5" at 2354.46,2425 h50 r90
  text "9.1" at 2454.46,2425 h50 r90
  text "9.0" at 2550.41,2425 h50 r90
  text "5.0V" at 2755.46,2407 h50 r90
  text "." at 1223,2356.2 h150
  text "7.7" at 860,2355 h50
  text "10.0" at 3132.1,2350.54 h50
  text "RGB2" at 225.02,2335.64 h60
  text "6.3" at 860.02,2255.55 h50
  text "." at 1223,2255.55 h150
  text "." at 2836.38,2254.23 h150
  text "9.4" at 3142.08,2250.54 h50
  text "LED1" at 3772.51,2250 h60
  text "GND" at 850.02,2155.54 h50
  text "5V0-MON" at 3004,2155.54 h50
  text "(TP)" at 198.44,2120.01 h35 r90
  text "LED2" at 3772.49,1901.53 h60
  text "AMP" at 1830,1810 h100
  text "PULL" at 935.01,1775.43 h40
  text "SERIES" at 759,1761.44 h40
  text "(TP)" at 2576.44,1730.01 h35 r90
  text "3.3V" at 1594,1698.55 h50
  text "I2C-SCL" at 1107.61,1685.86 h70
  text "(TP)" at 3753.44,1660.01 h35 r90
  text "POT" at 2409.25,1630.02 h70 r90
  text "AMP-PWR" at 1460.94,1600.82 h50
  text "I2C-SDA" at 1107.61,1517.35 h70
  text "5.0V" at 1594,1498.54 h50
  text "SERIES" at 759,1460.44 h40
  text "PULL" at 935.01,1439.47 h40
  text "5.0V to 3.3V" at 2740.03,1391.08 h100
  text "(TP)" at 1523.44,1363.17 h35 r90
  text "3.3V-MON" at 1162.02,1343.75 h70
  text "USB-UART" at 3375,1261.11 h100
  text "(TP)" at 940.01,1236.56 h35
  text "(TP)" at 1523.44,1230.01 h35 r90
  text "TO-MTR" at 49,1219.08 h100
  text "3V3-MON" at 758.45,1194 h50 r90
  text "3.3V" at 484.09,1181.61 h50
  text "5.0V" at 2611.02,1147.54 h50
  text "(TP)" at 3578.44,1130.01 h35 r90
  text "PROG-RST" at 840.03,1033.48 h100
  text "+" at 2210,1013.8 h100
  text "MCU-RST" at 520.02,1010.77 h60
  text "-" at 1935.05,1009.42 h150
  text "SWDIO" at 205.02,995.54 h50
  text "5V0-MON" at 2611.02,945.54 h50
  text "SPK" at 2030,920.78 h70
  text "(TP)" at 883.44,920.01 h35 r90
  text "BAT" at 2240,877.89 h50 r90
  text "USB" at 2446.18,877.89 h50 r90
  text "5.0V-SRC" at 2193.53,695.78 h70
  text "5.0V-MON" at 2611.02,541.75 h70
  text "(TP)" at 1138.44,515.01 h35 r90
  text "PB-RST" at 445.02,435.78 h70
  text "(TP)" at 2323.44,330.01 h35 r90
  text "PWR-LED" at 605.02,280 h50
  text "rev.2" at 3175.02,245.52 h50
  text "CONNECT453" at 2620,111.66 h150
  text "BAT-IN" at 1077,98.02 h70 r90
  text "5.0V-BAT" at 1978.15,98.03 h100 r90
  text "ON-OFF" at 1727.25,67 h70 r90
  text "+" at 1354,27.8 h100
  text "-" at 1070.05,22.42 h150
Mechanical 2:
  lines w10: 196.85,0 cw(c196.85,196.85) 0,196.85 0,3740.16 cw(c196.85,3740.16) 196.85,3937.01 3740.16,3937.01 cw(c3740.16,3740.16) 3937.01,3740.16 3937.01,196.85 cw(c3740.16,196.85) 3740.16,0 196.85,0 ; 196.85,0 196.85,0

## Text inside footprints (layer, text, board x,y; h text height)
J200: Mechanical 1 "PCB EDGE" at 3919.37,1039.13 h39.37 r90
P700: Top Overlay "5" at 63.07,995.14 h50 r90; Top Overlay "1" at 63.07,605.38 h50 r90